# Altium PCB PCB.PcbDoc (continued)
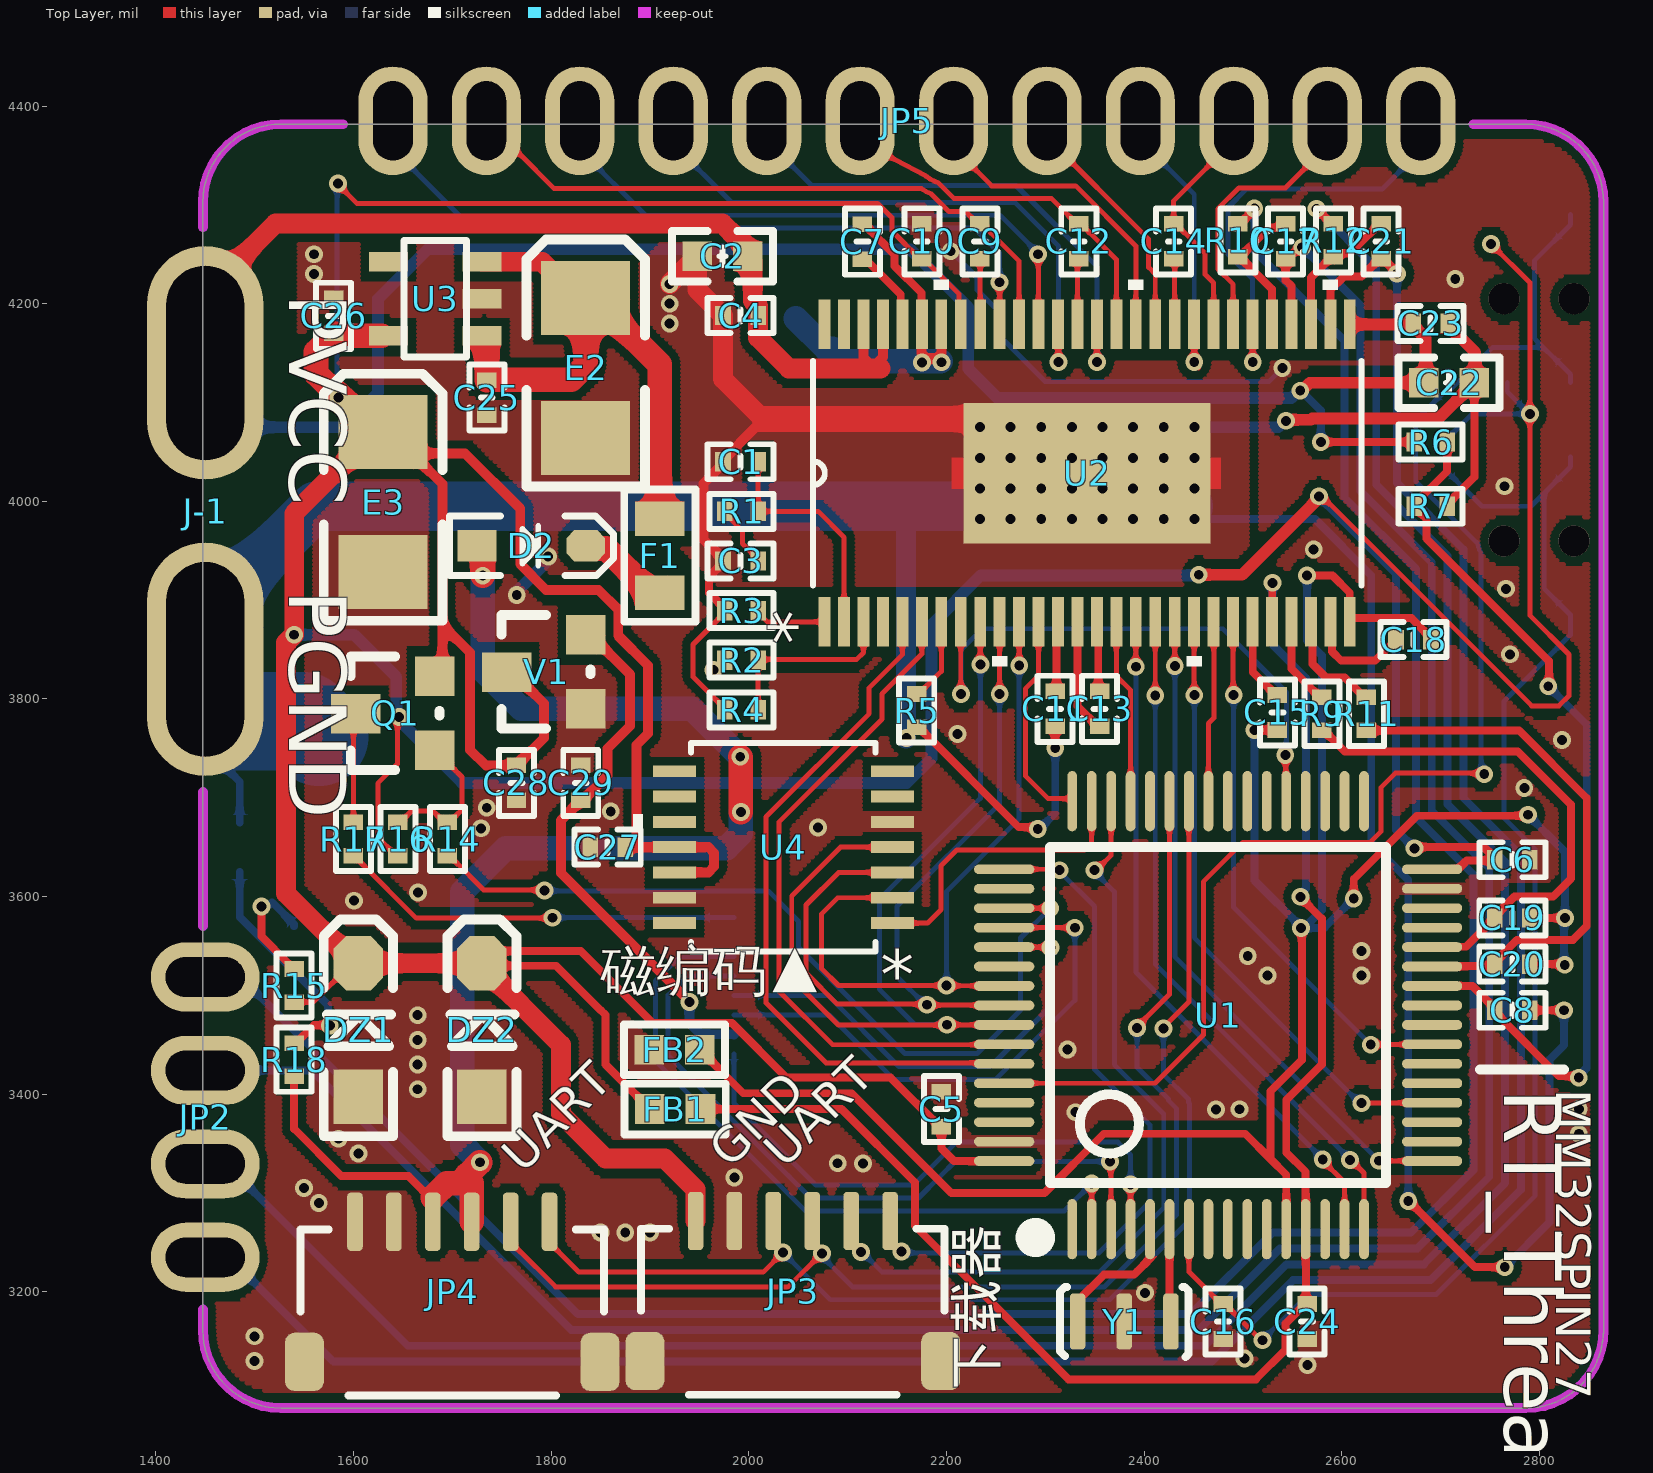
[diagram p0: Top Layer view]
## Nets (pads, with @x,y where several pads share a name; then routed paths per layer and width w, separated by ;. In a path a pad name is that pad's centre, name@x,y a point inside that pad or via, vN(x,y) a via of type N, cw(c..) or ccw(c..) an arc to the next point about the centre after c; other vN are vias at no path point)
3V3: C5.2 C6.2 C10.1 C26.1 C27.1 C28.2 DZ1.2 DZ2.2 E3.1 FB1.2 JP3.1 K2.2 K2.4 Q1.2 R8.1 R15.1 R16.1 U1.32 U1.64 U2.49 U3.5 U4.11 U4.12 V1.3 | length 7504.8
  Top Layer w5: R15.1 1559.3,3493.27 1598.54,3532.5 DZ1.2@1602.5,3532.5 ; v1@1580,4325 1603.5,4301.5 2130.57,4301.5 2145,4287.07 2145,4273.53 2173.17,4245.36 2177.11,4245.36 2182.48,4239.99 2212.9,4209.57 2212.9,4180.65 U2.49 ; v1@1644.5,3781.47 1644.5,3734.38 1624.66,3714.53 1624.66,3659.91 1643.03,3641.54 R16.1 ; v1(2577.13,4005.04) 2580.23,4005.04 2792.29,3792.98 2819.87,3792.98 2830,3803.12 2830,3845 2790.38,3884.62 v1@2790.38,4088.88 ; v1@2751.57,4260.22 2790.38,4221.4 v1@2790.38,4092.86
  Top Layer w8: DZ2.2@1730,3530 1805,3530 1850,3485 1850.31,3485 1855,3480.31 1855,3430 FB1.2 ; DZ2.2 1742.5,3545 1830,3545 1903,3472 1983,3472 2038,3417 2143.32,3417 2193.03,3367.29 C5.2 2195,3345 2207.64,3332.36 U1.64 ; v1(2673.63,3648.82) 2675.11,3650.29 2743.64,3650.29 2750.8,3643.13 2751.2,3643.13 2755.08,3639.26 C6.2 ; U1.32 2717.62,3627.63 2726.56,3636.57 2749.34,3636.57 C6.2@2751.31,3636.57
  Top Layer w10: E3.1@1635,4065 1651.5,4048.5 E3.1@1659,4048.5 ; Q1.2@1679,3827 1690,3838 1690,3875 ; V1.3@1760,3827 1775,3812 1775.96,3812 1792.68,3795.29 1792.68,3760.39 1769.85,3737.56 1769.85,3735.59 C28.2@1769.26,3735 ; C28.2 1764.79,3732.5 1733.99,3732.5 1718.11,3748.37 1718.11,3846.89 1690,3875 ; U4.12 1959.14,3624.41 1965,3630.27 1965,3644.14 1959.14,3650 U4.11 C27.1 1875,3651.97 1877.87,3654.84 1879.84,3654.84 1886.44,3661.44 1886.44,3753.57 1898,3765.13 1898,3833.92 1868,3863.92 1868,3890.38 1848.14,3910.24 1794.95,3910.24 1768.76,3936.43 1768.76,3992.68 1712.95,4048.5 E3.1@1659,4048.5 ; E3.1@1659,4048.5 1690,4017.5 1690,3875
  Top Layer w12: v1(2455.35,3925.68) 2499.19,3925.68 v1@2577.13,4003.62
  Top Layer w20: DZ1.2@1602.5,3532.5 1531.82,3603.18 1531.82,3856.82 v1(1540,3865) 1540,3987.5 E3.1@1622.5,4070 ; DZ1.2 DZ2.2 ; DZ2.2@1730,3530 1810,3450 1810,3380 1855,3335 1915,3335 1946.18,3303.82 JP3.1
  Top Layer w25: C26.1@1580,4168.84 1562.18,4151.03 1562.18,4129.04 1573.9,4117.33 1575.17,4117.33 1586.25,4106.25 E3.1@1622.5,4070 ; C26.1 1582.41,4167.59 U3.5@1628.33,4167.59 ; DZ1.2@1602.5,3532.5 DZ1.2 ; E3.1@1627.5,4065 E3.1@1635,4065 ; DZ2.2@1730,3530 DZ2.2
  Bottom Layer w5: v1@1582.49,4322.51 1582.49,4316.65 1583.56,4315.57 1583.56,4106.44 v1(1585,4105) ; R8.1 2706.97,4063.46 2732,4088.5 v1(2790.55,4088.5) ; K2.2 2767.57,4110.85 v1@2787.55,4090.87
  Bottom Layer w8: v1(2577.13,4005.04) 2577.13,4004.53 2655,3926.66 2655,3667.44 v1(2673.63,3648.82)
  Bottom Layer w12: v1(1540,3865) 1600.65,3865 1643.27,3822.38 v1@1643.27,3781.73 ; v1@1644.01,3780.99 1710.03,3714.97 2159.97,3714.97 2185,3740 2185,3875 2235,3925 v1@2455,3925
  other v1: 1646.28,3781.63 2751.19,4260.23 1584.32,4321.59
5V: D2.1 E1.1 JP4.3 JP4.4 L1.2 R2.2 R18.1 | length 1416.5
  Top Layer w8: R18.1 1540,3365 1587.7,3317.3 1655.54,3317.3 1677.25,3295.58 JP4.3@1680.32,3295.58
  Top Layer w25: JP4.3@1680.32,3295.58 1694.73,3310 1706.81,3310 1715,3318.19 ; 1715.1,3318.01 1727.97,3330.89 v1(1727.97,3331.16) ; JP4.4 1719.68,3310 ; D2.1 1727.58,3955 1730.82,3951.75 v1(1730.82,3924.73) ; v1(1991.46,3741.47) 1991.87,3741.07 1991.87,3685.79 v1(1992.07,3685.59)
  Bottom Layer w25: v1(1727.97,3331.16) 1710,3349.14 1710,3605 1754.03,3649.03 1977.43,3649.03 1992.07,3663.68 v1(1992.07,3685.59) ; v1(1730.82,3924.73) 1730.82,3829.18 1770,3790 1942.74,3790 1991.28,3741.47 v1(1991.46,3741.47)
  other v1: 1964.44,3829.2
ADC1: C8.2 R6.2 R7.1 U1.26 | length 923.8
  Top Layer w8: U1.26 2732.44,3509.52 2755,3486.97 C8.2 ; R6.2 2706.73,4030.43 2673.27,3996.97 2673.27,3993.03 2677.14,3989.16 2679.11,3989.16 2685.73,3982.54 2685.73,3962.41 2809.93,3838.21 2809.93,3813.7 v1(2809.09,3812.86) ; C8.2@2755,3483.03 2758.87,3479.16 2758.93,3479.16 2819.79,3418.29 2838.45,3418.29 v1(2839.98,3416.75)
  Bottom Layer w8: v1(2809.09,3812.86) 2847.99,3773.96 2847.99,3426.44 v1@2837.41,3415.86
AGND: C15.1 C18.1 C19.1 C20.1 FB2.1 U1.12 U2.28 | length 2303.1
  Top Layer w8: FB2.1 1994.6,3401 2104,3401 2205,3300 2299.28,3300 2359.28,3360 2502.41,3360 2527.96,3334.45 ; v1@2516.43,3768.57 C15.1 ; U1.12 2543.91,3318.5 2527.96,3334.45 ; v1(2558.79,3568.33) 2559.71,3567.41 2559.71,3434.71 2527.96,3402.96 2527.96,3334.45 ; v1(2565,3925) 2590.69,3925 2608.19,3907.49 2608.19,3878.05 U2.28 ; U2.28@2608.25,3879.84 2610.25,3881.84 2670.55,3881.84 2690.43,3861.97 C18.1 ; v1(2612.22,3598.08) 2612.22,3617.67 2676.37,3681.82 v1@2788.58,3681.82 ; C20.1 2823.34,3531.66 v1@2825,3530 ; C19.1 v1@2824.4,3578.33
  Bottom Layer w8: v1(2511.9,3768.62) 2511.9,3616.35 v1@2559.35,3568.9 ; v1(2558.79,3568.33) 2582.49,3568.35 v1(2612.22,3598.08) ; v1(2565,3925) 2565,3859 2580,3844 2580,3586.47 2566.86,3573.33 ; v1@2785.24,3685.95 2826,3645.19 v1(2826,3578.45) 2825,3577.45 v1@2825,3530
  other v1: 2825.76,3530.94 2788.71,3682.82
AH: U1.15 U2.17 | length 705.9
  Top Layer w5: U2.17 2391.71,3833.29 v1@2395,3830 ; v1(2580.91,3333.83) 2580.91,3332.66 2602.96,3310.6 U1.15
  Bottom Layer w5: v1(2391.74,3832.53) 2391.74,3523.66 2580.91,3334.49 v1(2580.91,3333.83)
AL: U1.16 U2.18 | length 699.4
  Top Layer w5: U2.18 v1(2411.4,3803.6) v1@2415,3800 ; v1@2608.88,3334.01 2622.65,3320.24 U1.16
  Bottom Layer w5: v1(2411.4,3803.6) 2411.4,3531.37 v1@2603.32,3339.45
  other v1: 2608.39,3333.53
AVCC: C24.2 FB1.1 U1.13 U2.24 | length 1617
  Top Layer w8: FB1.1 2093.93,3385 2168.09,3310.85 2168.09,3266.91 2323.54,3111.46 2513.21,3111.46 2543.16,3141.41 2543.16,3167.84 2563.03,3187.71 C24.2 2563.79,3188.93 2563.79,3263.28 U1.13 2563.59,3321.45 2543.96,3341.07 2543.96,3394.06 2580,3430.09 2580,3577.66 v1@2557.48,3600.18 ; U2.24 2529.75,3878.25 2529.75,3917.23 v1(2530.04,3917.51)
  Bottom Layer w8: v1(2530.04,3917.51) 2529.97,3917.45 2529.97,3855.03 2564,3821 2564,3608.08 2558.17,3602.26 v1@2558.17,3602.13
  other v1: 2558.39,3599.76
BH: U1.17 U2.19 | length 689.7
  Top Layer w5: U2.19 2431.08,3833.92 v1@2435,3830 ; v1(2637.67,3332.68) 2637.83,3332.52 2691.37,3332.52 U1.17
  Bottom Layer w5: v1(2431.19,3833.24) 2431.19,3539.15 v1(2637.67,3332.68)
BL: U1.20 U2.20 | length 628.9
  Top Layer w5: v1@2450,3805 2450.77,3805.77 U2.20 ; v1(2620.11,3390.96) 2620.34,3391.19 2691.3,3391.19 U1.20
  Bottom Layer w5: v1(2450.94,3803.82) 2450.94,3558.37 2618.35,3390.96 v1(2620.11,3390.96)
BOOT0: K2.1 K2.3 R13.1 U1.60 | length 1479.5
  Top Layer w5: U1.60 2411.1,3411.1 2460,3460 2460,3615 2500,3655 2629.05,3655 2640,3665.95 2640,3710.53 2654.34,3724.87 2743.27,3724.87 v1(2744.27,3723.88)
  Bottom Layer w5: v1(2744.27,3723.88) 2744.05,3723.88 2741.12,3726.8 2741.12,3947.37 cw(c2764.13,3960) 2738.05,3957.04 2736.88,3958.21 2675,4020.09 2675,4081.97 2703.03,4110 R13.1 2706.97,4110 2752.47,4155.5 2804.5,4155.5 ; K2.1 2831.57,4128.43 2804.5,4155.5 ; K2.3 2831.57,4280 2795,4243.43 2795,4165 2804.5,4155.5
CH: U1.41 U2.21 | length 183.9
  Top Layer w5: U1.41 2465.17,3775.17 2470.69,3780.69 2470.69,3877.77 U2.21
CL: U1.23 U2.22 | length 546.6
  Top Layer w5: v1@2490,3805 2490.14,3805.14 U2.22 ; v1(2629.5,3450.17) 2629.65,3450.32 2691.38,3450.32 U1.23
  Bottom Layer w5: v1(2490.74,3804.04) 2490.74,3588.93 v1(2629.5,3450.17)
DC_CAL: U1.48 U2.12 | length 219.5
  Top Layer w5: U2.12 2293.29,3823.56 2280,3810.28 2280,3722.16 2303.06,3699.1 2325.13,3699.1 2327.37,3696.86 U1.48
EN_GATE: U1.45 U2.16 | length 187.4
  Top Layer w5: U2.16 2372.03,3823.25 2386.43,3808.86 U1.45
FAULT: U1.58 U2.6 | length 684.1
  Top Layer w5: U2.6 2175.18,3845.47 2134.87,3805.16 2134.87,3779.61 2030.53,3675.27 2030.53,3504.47 2084.92,3450.08 2258.1,3450.08 U1.58
GH_A: JP5.12 U2.47 | length 758.3
  Top Layer w5: v1(2253.81,4221.67) 2253.86,4221.62 2253.86,4179.05 U2.47 U2.47@2253.96,4178.95
  Bottom Layer w5: JP5.12 1640,4356.38 1719.91,4276.48 2228.54,4276.48 2253.81,4251.2 v1(2253.81,4221.67)
GH_B: JP5.8 U2.42 | length 541.8
  Top Layer w5: U2.42 2352.34,4141.1 v1(2352.51,4140.93)
  Bottom Layer w5: JP5.8 2018.18,4365 2063.68,4319.5 2270.5,4319.5 2352.51,4237.49 v1(2352.51,4140.93)
GH_C: JP5.4 U2.37 | length 310.7
  Top Layer w5: v1@2450.77,4139.23 v1@2455,4135 ; v1@2450.79,4140.96 U2.37
  Bottom Layer w5: JP5.4 2396.36,4365 2450.82,4310.55 v1(2450.82,4140.93)
GL_A: JP5.10 U2.45 | length 609.1
  Top Layer w5: v1(2292.75,4249.94) 2293.02,4249.67 2293.02,4179.27 U2.45
  Bottom Layer w5: JP5.10 1829.09,4355.91 1895.52,4289.48 2254.52,4289.48 2293.51,4250.49 v1@2293.51,4249.76
GL_B: JP5.6 U2.40 | length 332.2
  Top Layer w5: JP5.6 2207.27,4357.73 2245.79,4319.21 2330.79,4319.21 2391.71,4258.29 U2.40
GL_C: JP5.2 U2.35 | length 285.9
  Top Layer w5: U2.35 2490.14,4219.55 2474.66,4235.03 2474.66,4295.88 2495.86,4317.08 2542.97,4317.08 2585.45,4359.56 JP5.2
GND: C5.1 C6.1 C10.2 C16.2 C24.1 C25.2 C26.2 C27.2 C28.1 C29.1 D3.2 DZ1.1 DZ2.1 E2.2 E3.2 FB2.2 FB3.1 JP1.0 JP1.2 JP3.0 JP3.2 JP4.0 JP4.1 JP4.2 K1.2 K1.4 R13.2 U1.31 U1.63 U3.2 U4.5 U4.13 V1.1 Y1.2 | length 469.1
  Bottom Layer w5: v1(2204.44,4253.05) 2230.96,4226.52 2230.96,4214.04 2255,4190 2255,4166.3 2299.87,4121.43 2526.62,4121.43 v1(2539.99,4134.8)
  Bottom Layer w12: v1(1765.2,3905.06) 1765.2,3906.68 1768.2,3909.68 1768.2,3911.62 1794.05,3937.46 1794.05,3939.59 1797.05,3942.59 v1(1797.05,3944.22)
  other v1: 2565.32,3125.9 1500,3130 2501.65,3132.46 1500,3155 2400.94,3199.03 1850,3260 1875,3260 1900,3260 1565,3290 1550,3305 1985.44,3315.82 2090.03,3330.11 2115.6,3329.94 1605,3340 1585,3355 2840,3360 2330.64,3381.86 2472.73,3384.42 2496.58,3384.81 2840,3385 1665,3405 1665,3430 2322.73,3445.38 1665,3455 1665,3480 2525,3520 2620,3520 2505,3540 2620,3545 1600.61,3595.86 1665.37,3604.24 1728.97,3669.06 2070,3670 1860.38,3686.28 1734.94,3689.95 2784.88,3709.91 2823.13,3758.54 2211.3,3764.52 2770.43,3845.16 2766.42,3911.42 2571.68,3951.36 2764.85,4015.23 2715,4225 1560,4230 1560,4250
IPS3V3: C29.2 JP1.7 V1.2 | length 541
  Top Layer w10: V1.2@1840,3865 1880,3825 1880,3772.58 1857.19,3749.77 1857.19,3722.51 1834.84,3700.16 1832.87,3700.16 C29.2 1828.03,3697.29 1825.15,3694.41 1825.15,3692.44 1810,3677.29 1810,3623.96 v1@1938.19,3495.77
  Bottom Layer w10: v1(1940.15,3493.21) 1940,3493.05 1940,3472.29 1951.65,3460.64 JP1.7
IPS_BLK: R14.1 U1.51 | length 858
  Top Layer w5: R14.1 1696.97,3641.54 1702.34,3636.16 1702.34,3636.11 1731.74,3606.71 v1@1796.14,3606.71 ; U1.51 2301.74,3588.26 v1@2305,3585
  Bottom Layer w5: v1@1798.44,3604.93 1799.28,3605.76 2019.69,3605.76 2050.42,3575.02 2050.42,3548.77 2158.2,3441 2231,3441 2275,3485 2275,3558.1 v1(2305.18,3588.28)
  other v1: 1793.27,3606.26
IPS_CS: JP1.8 U1.4 | length 584.1
  Top Layer w5: U1.4 v1(2386.43,3308.81)
  Bottom Layer w5: JP1.8 1985,3391.08 2068.07,3308.01 2166.4,3308.01 2209.86,3351.47 2373.53,3351.47 2386.43,3338.57 v1(2386.43,3308.81)
IPS_DC: JP1.4 U1.3 | length 726.6
  Top Layer w5: v1(2365.45,3331.97) 2366.56,3330.87 2366.56,3263.66 U1.3
  Bottom Layer w5: JP1.4 1937.88,3519.68 1918.5,3500.3 1918.5,3439.19 2040.64,3317.05 2062.69,3295.01 2171.79,3295.01 2193.83,3317.05 2208.75,3331.97 v1(2365.45,3331.97)
IPS_RES: JP1.3 U1.2 | length 732.6
  Top Layer w5: U1.2 v1(2347.06,3309.6)
  Bottom Layer w5: JP1.3 1930.22,3539.37 1905.5,3514.66 1905.5,3433.81 2057.3,3282.01 2319.46,3282.01 v1(2347.06,3309.6)
IPS_SCL: JP1.6 U1.52 | length 550.8
  Top Layer w5: U1.52 2328.58,3568.58 v1@2330,3570
  Bottom Layer w5: JP1.6 2081.3,3480.32 2146.62,3415 2250,3415 2330,3495 v1(2330,3568.51)
IPS_SDA: JP1.5 U1.53 | length 482.2
  Top Layer w5: U1.53 2303.89,3548.89 v1@2305,3550
  Bottom Layer w5: JP1.5 2080,3500 2152,3428 2244.62,3428 2305.45,3488.84 v1(2305.45,3548.6)
NetC1_2: C1.2 R1.2 U2.2 | length 233.6
  Top Layer w5: C1.2 R1.2 2070.2,3989.8 2096.44,3963.56 U2.2
NetC3_2: C3.2 R1.1 | length 64.1
  Top Layer w5: R1.1 1975.96,3987.83 1993.63,3970.16 1993.63,3957.36 2009.43,3941.57 C3.2
NetC7_1: C7.1 D1.2 L1.1 U2.50 U2.51 | length 368.3
  Top Layer w8: C7.1@2120,4277.4 2147.63,4249.77 2147.63,4238.1 2174.97,4210.76 2174.97,4179.21 U2.51 U2.51@2175,4178.82 ; U2.50 U2.50@2195,4178.86
  Top Layer w10: U2.51@2175,4178.82 2175,4150 2180,4145 2190,4145 2195,4150 U2.50@2195,4178.86
  Bottom Layer w25: D1.2 2078.33,4154.19 2084.76,4154.19 2097.36,4141.59 2175.42,4141.59 v1@2194.29,4141.59
  other v1: 2175.42,4140.46 2195.16,4140.76
NetC7_2: C7.2 U2.52 | length 84.5
  Top Layer w8: C7.2 2118.87,4241.13 2121.89,4241.13 2153.81,4209.21 2153.81,4180.69 U2.52
NetC9_2: C9.2 U2.48 | length 66.4
  Top Layer w5: C9.2 2234.23,4245.05 U2.48
NetC11_2: C11.2 U2.13 | length 71.5
  Top Layer w8: C11.2 2311.49,3809.2 2311.49,3876.52 U2.13
NetC12_2: C12.2 U2.43 | length 66.8
  Top Layer w5: U2.43 2332.66,4243.95 C12.2
NetC13_1: C13.1 U2.15 | length 71.4
  Top Layer w8: U2.15 2353.67,3876.67 2353.67,3809.05 C13.1
NetC13_2: C13.2 U2.14 | length 116.1
  Top Layer w8: U2.14 2332.66,3792.66 2353.03,3772.29 C13.2
NetC14_2: C14.2 U2.38 | length 66.7
  Top Layer w5: C14.2 2431.08,4244.2 U2.38
NetC15_2: C15.2 U2.23 | length 77.1
  Top Layer w8: U2.23 2510,3877.82 2510,3827.22 C15.2@2528.58,3808.64
NetC17_2: C17.2 R10.2 U2.33 | length 143.9
  Top Layer w8: R10.2 R10.2@2496.97,4247.25 ; U2.33 2529.51,4214.71 R10.2@2496.97,4247.25 ; C17.2 2539.46,4276.84 2526.56,4276.84 R10.2@2496.97,4247.25
NetC18_2: C18.2 U2.27 | length 109.3
  Top Layer w8: U2.27 2590.25,3876.32 2590.25,3848.03 2599.57,3838.71 2633.71,3838.71 2649.16,3854.16 2651.13,3854.16 2655,3858.03 C18.2
NetC21_2: C21.2 R12.2 U2.31 | length 141
  Top Layer w8: U2.31 2568.88,4226.43 2593.57,4251.12 2608.44,4251.12 2638.03,4280.71 C21.2
NetC25_1: C25.1 E2.1 F1.2 U3.1 U3.3 | length 596
  Top Layer w20: U3.1 1734.84,4167.6 1734.54,4167.3 U3.1@1734.54,4161.96 ; U3.3 1790.96,4242.4 E2.1@1827.49,4205.87 ; E2.1 E2.1@1842.49,4205.87
  Top Layer w25: U3.1@1734.54,4161.96 1735,4161.5 C25.1 1735.37,4123.08 1820.35,4123.08 1834.99,4137.73 E2.1 ; E2.1@1842.49,4205.87 1909.92,4138.44 1909.92,3982.48 F1.2
NetD2_2: D2.2 F1.1 | length 89.5
  Top Layer w25: D2.2 1837.81,3952.3 1855.56,3952.3 1895.27,3912.6 1900,3912.6 F1.1@1905,3907.6
NetD3_1: D3.1 R15.2 | length 124.2
  Top Layer w8: v1(1506.86,3589.95) 1506.86,3559.87 1534.16,3532.57 1534.16,3530.61 1538.03,3526.73 R15.2
  Bottom Layer w8: v1(1506.86,3589.95) 1508.78,3591.87 1515.4,3591.87 1517.75,3594.22 1540,3571.97 D3.1
NetD4_1: D4.1 R18.2 | length 235.7
  Top Layer w8: R18.2 1541.97,3451.73 1560.24,3470 v1@1575,3470
  Bottom Layer w8: D4.1 1485,3579.4 1574.22,3490.19 1574.22,3471.48 v1(1576.13,3469.57)
NetJP1_1: JP1.1 R17.2 | length 411.5
  Top Layer w5: R17.2@1600.02,3641.8 1601.7,3641.8 1607.34,3636.16 1607.34,3634.48 1663.69,3578.13 1801.01,3578.13 v1(1801.46,3578.58)
  Bottom Layer w5: v1@1802.54,3578.6 1802.68,3578.74 JP1.1
NetQ1_1: Q1.1 R14.2 R16.2 | length 149.3
  Top Layer w5: R16.2 1650.37,3680.37 1652.46,3680.37 1658.76,3686.67 1680.29,3686.67 1686.59,3680.37 1687.66,3680.37 1691.97,3676.06 R14.2@1691.97,3675 ; Q1.1 1699.77,3730.51 1700.34,3730.51 1709.83,3721.02 1709.83,3687.85 1702.35,3680.37 1700.37,3680.37 R14.2
NetQ1_3: Q1.3 R17.1 | length 110.9
  Top Layer w5: R17.1 1600,3782.73 Q1.3
NetR2_1: R2.1 R4.2 U2.3 | length 191.2
  Top Layer w5: R4.2 R2.1 2010.23,3840 2109.25,3840 2116.12,3846.87 U2.3
NetR3_1: R3.1 U2.1 | length 73.2
  Top Layer w5: R3.1 2009.43,3887.43 2018.86,3878 U2.1
NetR5_1: R5.1 U2.7 | length 84.5
  Top Layer w5: R5.1 2171.97,3805 2194.86,3827.89 U2.7
NetR9_1: R9.1 U2.25 | length 90.2
  Top Layer w8: U2.25 2549.19,3830.57 2578.03,3801.73 R9.1
NetR11_1: R11.1 U2.26 | length 109.8
  Top Layer w8: U2.26 2570.56,3876.32 2570.56,3835.28 2584.23,3821.61 2603.16,3821.61 2619.16,3805.61 2624.16,3805.61 R11.1@2624.51,3805.26
NRST: C16.1 K1.1 K1.3 R8.2 U1.7 | length 1413.7
  Top Layer w5: U1.7 2445.48,3220.27 2478.03,3187.72 2481.97,3187.72 2487.34,3182.34 2487.34,3182.17 2518.43,3151.08 v1(2519.8,3151.08)
  Bottom Layer w5: v1(2519.8,3151.08) 2566.09,3197.37 2695.85,3197.37 2795.83,3297.35 2795.83,3647.93 2764.1,3679.66 2764.1,3797.35 2831.57,3864.81 K1.1 2831.57,3885 2805,3911.57 2805,4008.43 ; R8.2 2706.97,4030 2741.97,3995 2791.57,3995 2805,4008.43 ; K1.3 2831.57,4035 2805,4008.43
OCTW: U1.59 U2.5 | length 709.2
  Top Layer w5: U2.5 2155.49,3844.84 2121.87,3811.22 2121.87,3785 2017.53,3680.65 2017.53,3492.47 2078.24,3431.76 2228.5,3431.76 2228.55,3431.71 2257.56,3431.71 U1.59
OSC_IN: U1.5 Y1.3 | length 141.7
  Top Layer w8: Y1.3 2332.76,3190.67 2359.7,3217.62 2390.01,3217.62 2393.36,3220.97 2393.44,3220.97 2405.76,3233.29 2405.76,3263.12 U1.5
OSC_OUT: U1.6 Y1.1 | length 94.1
  Top Layer w8: U1.6 2425.8,3171.45 Y1.1
PGND: C1.1 C2.2 C3.1 C4.2 C8.1 C11.1 C22.1 C23.1 D1.1 D4.2 E1.2 FB3.2 J-1.2 R3.2 R4.1 R5.2 R7.2 U2.57 | length 4926.7
  Top Layer w5: C3.1@1974,3937.63 C3.1 C3.1@1974,3941.57 ; C1.1@1974,4038.03 C1.1 ; R4.1 1975.96,3790.97 1970.59,3796.34 1969.72,3796.34 1943.64,3822.42 1943.64,3855.11 1975.96,3887.43 R3.2 R3.2@1975.96,3891.37
  Top Layer w8: C3.1@1974,3937.63 1960,3923.64 1960,3907.33 R3.2@1975.96,3891.37 ; R5.2@2171.97,3771.54 2273.28,3670.22 2290.62,3670.22 v1(2292.53,3668.31) ; v1@2310,3755 C11.1 ; v1@2670,3290 2735,3225 v1(2765,3225) ; R7.2 2706.73,3996.97 2734.31,4024.55 C22.1 ; C8.1 v1(2825,3485)
  Top Layer w10: C3.1@1974,3941.57 1954.16,3961.41 1954.16,4018.2 C1.1@1974,4038.03 ; C1.1 1974,4041.97 2007.03,4075 2234,4075 2265,4075 U2.57@2296,4075
  Top Layer w12: v1(2543.82,4081.42) 2544.97,4082.56 2569.02,4082.56 2570.3,4083.84 2698.15,4083.84 C22.1 2735,4120.69 2735,4150.75 2707.72,4178.03 C23.1
  Top Layer w20: v1(1920,4220) 1920,4220.18 C2.2 1947.82,4214.18 C4.2 1974,4123.64 2011.25,4086.39 2284.61,4086.39 2296,4075 2327,4044 U2.57@2342.5,4028.5
  Bottom Layer w8: J-1.2@1450,3785.85 1450,3751.15 1485,3716.15 D4.2 ; v1(2292.53,3668.31) 2294.1,3668.31 2310.23,3684.44 v1(2310.23,3750.24) ; U2.57@2451,3982 2573,3982 2630,3925 2630,3654.13 2667.45,3616.68 v1(2667.45,3291.98) ; v1(2765,3225) 2810.33,3270.33 2810.33,3435 2825,3449.66 v1(2825,3485)
  Bottom Layer w12: U2.57@2451.71,4074.54 2452.17,4075 2535.78,4075 2542.2,4081.42 v1(2543.82,4081.42)
  Bottom Layer w20: v1@2159.15,3759.69 2159.15,3989.2 2164.96,3995
  Bottom Layer w50: J-1.2 1450,3883.23 1561.77,3995 2445,3995
  Bottom Layer w100: J-1.2 1450,3785.85 1458.37,3777.48 1549.61,3777.48 FB3.2
  other v1: 2159.64,3760.53 1920,4180 1920,4200
PVCC: C2.1 C4.1 C22.2 C23.2 J-1.1 R6.1 U2.29 U2.53 U2.54 | length 2755.6
  Top Layer w8: v1@2580,4060 R6.1 R6.1@2672.85,4059.58
  Top Layer w10: U2.54 2116.12,4145.33 2121.45,4140 ; 2130,4140 2135.81,4145.81 U2.53
  Top Layer w12: v1(2558.11,4111.94) 2559.74,4111.94 2567.79,4120 C22.2 2685,4121.87 2685,4165.32 2672.29,4178.03 C23.2 2671.28,4179 U2.29@2608.56,4179
  Top Layer w20: J-1.1 1450,4210 1521,4281 1973.52,4281 1994,4260.52 1994,4253 C2.1 ; C2.1@2004,4243 2004,4203 2009.43,4197.57 C4.1 2009.43,4165.57 2040.59,4134.41 2133.28,4134.41
  Bottom Layer w8: v1(2558.11,4111.94) 2558.82,4111.94 2578.92,4091.85 v1(2578.92,4059.93)
  Bottom Layer w12: J-1.1 1450,4124.02 1499.02,4075 1590,4075 1625,4110 1625,4205 1675,4255 2163.53,4255 2222.09,4196.44 2222.09,4134.17 2251.84,4104.42 2548.96,4104.42 2556.49,4111.94 v1(2558.11,4111.94)
SH_A: C9.1 JP5.11 U2.46 | length 662.5
  Top Layer w5: JP5.11 1734.55,4382.59 1764.57,4352.56 1766.98,4352.56 1803.17,4316.38 2174.75,4316.38 ccw(c2207.27,4365) 2184.6,4311.07 2185.28,4310.39 2202.46,4293.21 2219.54,4293.21 2232.03,4280.72 C9.1 2235.97,4280.72 2273.6,4243.08 U2.46
SH_B: C12.1 JP5.7 U2.41 | length 387.9
  Top Layer w5: JP5.7 2112.73,4365.54 2115.13,4363.14 2115.66,4362.61 2117.37,4361.7 2178.97,4329.38 ccw(c2207.27,4365) 2191.87,4322.19 2207.84,4306.21 2306.54,4306.21 2332.03,4280.72 2335.97,4280.72 2372.03,4244.66 U2.41
SH_C: C14.1 JP5.3 U2.36 | length 249.1
  Top Layer w5: U2.36 2470.45,4220.85 2461.66,4229.64 2461.66,4251.03 2431.97,4280.72 C14.1 2430,4304.09 2490.91,4365 JP5.3
SL_A: JP5.9 U2.44 | length 611.8
  Top Layer w5: U2.44 2313.27,4178.7 2313.27,4141.23 v1(2313.56,4140.93)
  Bottom Layer w5: JP5.9 1923.64,4361.36 1982.52,4302.48 2269.14,4302.48 2313.56,4258.05 v1(2313.56,4140.93)
SL_B: JP5.5 U2.39 | length 251.4
  Top Layer w5: JP5.5 2301.82,4368.18 2404.71,4265.29 2404.71,4236.74 2411.4,4230.05 U2.39
SL_C: JP5.1 U2.34 | length 453.8
  Top Layer w5: U2.34 2509.91,4178.91 2509.91,4141.02 v1(2510,4140.93)
  Bottom Layer w5: v1(2510,4140.93) 2510,4225 2485,4250 2485,4297.31 2503.58,4315.9 2640.9,4315.9 2680,4355 JP5.1
SN1: JP2.4 R10.1 | length 2575.7
  Top Layer w8: R10.1@2493.03,4280.71 R10.1 2496.97,4280.71 2511.66,4295.4 v1(2511.66,4296.4)
  Bottom Layer w8: JP2.4 1485.92,3518.64 1827.06,3177.5 2447.65,3177.5 2530.02,3259.87 2669.96,3259.87 2733.33,3323.24 2733.33,3622.04 2675.15,3680.22 2675.15,3931.55 2603.06,4003.64 2603.06,4162.28 2511.66,4253.68 v1(2511.66,4296.4)
SN2: JP2.2 R12.1 | length 2547.2
  Top Layer w8: v1@2575,4295 2575.41,4295 2589.7,4280.71 R12.1
  Bottom Layer w8: JP2.2 1470.91,3329.55 1654.96,3145.5 2461.89,3145.5 2544.27,3227.87 2683.22,3227.87 2765.33,3309.99 2765.33,3635.3 2707.15,3693.48 2707.15,3944.81 2635.06,4016.9 2635.06,4235.61 v1(2574.69,4295.98)
SO1: C19.2 R9.2 U1.28 | length 529.7
  Top Layer w8: R9.2 2581.97,3768.27 2585.84,3764.39 2585.84,3764.04 2603.13,3746.75 2778.24,3746.75 2831.99,3693 2831.99,3618.13 2814.03,3600.17 2774.87,3600.17 2755,3580.3 C19.2 2755,3576.36 2751.13,3572.49 2749.16,3572.49 2725.91,3549.25 2691.88,3549.25 U1.28
SO2: C20.2 R11.2 U1.27 | length 555.5
  Top Layer w8: R11.2 2625.24,3768.03 2779.59,3768.03 2847.99,3699.63 2847.99,3570.18 2834,3556.19 2777.55,3556.19 2755,3533.64 C20.2 2752.9,3529.56 2691.88,3529.56 U1.27
SP1: C17.1 JP2.3 U2.32 | length 2582.8
  Top Layer w8: U2.32 2549.19,4217.77 2543.33,4223.64 C17.1 2545.3,4245.28 2555.16,4255.14 2555.44,4255.14 2560,4259.7 v1@2560,4259.98
  Bottom Layer w8: JP2.3 1557.84,3424.09 1820.43,3161.5 2455.27,3161.5 2537.64,3243.87 2676.59,3243.87 2749.33,3316.61 2749.33,3628.67 2691.15,3686.85 2691.15,3938.18 2619.06,4010.27 2619.06,4198.06 v1(2560.06,4257.06)
SP2: C21.1 JP2.1 U2.30 | length 2547.7
  Top Layer w8: U2.30 2588.56,4213.56 2602.37,4227.37 2620.12,4227.37 2638.03,4245.28 2641.97,4245.28 2655,4232.25 v1@2655,4230
  Bottom Layer w8: JP2.1 1474.19,3235 1579.69,3129.5 2468.52,3129.5 2550.89,3211.87 2689.85,3211.87 2781.33,3303.36 2781.33,3641.92 2723.15,3700.11 2723.15,3951.43 2656.06,4018.53 v1(2656.06,4230.31)
SPI_CS1: U1.37 U2.8 | length 593.5
  Top Layer w5: U2.8@2214.56,3877.98 2214.56,3805.38 v1(2214.94,3805) ; v1(2543,3743.4) 2543.45,3742.95 2543.45,3696.97 U1.37
  Bottom Layer w5: v1(2214.94,3805) 2214.94,3849.7 2236.25,3871 2479.72,3871 2544.13,3806.59 2544.13,3744.53 v1(2543,3743.4)
SPI_CS2: U1.47 U4.1 | length 313.9
  Top Layer w5: U4.1 2155.73,3573.23 2181.05,3573.23 2194.61,3586.78 2194.61,3631.22 2210.57,3647.19 2339.65,3647.19 2347.06,3654.6 U1.47 ; U4.1@2145.25,3573.3 U4.1@2155.73,3573.3
SPI_MISO: U1.56 U2.10 U4.3 | length 828
  Top Layer w5: U4.3 2090.93,3624.41 2057.94,3591.42 2057.94,3522.81 2089.66,3491.09 2179.69,3491.09 v1(2180.28,3490.5) 2180.61,3490.17 2258.16,3490.17 U1.56 ; U2.10 2253.96,3877.96 2253.96,3806.04 v1(2253.94,3804.98)
  Bottom Layer w5: v1(2180.28,3490.5) 2178.49,3490.5 2149.92,3519.07 2149.92,3589.92 2253.94,3693.94 v1(2253.94,3804.98)
SPI_MOSI: U1.57 U2.9 U4.4 | length 937.8
  Top Layer w5: U4.4 2092.9,3650 2043.53,3600.63 2043.53,3517.07 2090.59,3470 2200.28,3470 v1(2200.64,3470.36) 2200.75,3470.26 2258.39,3470.26 U1.57 ; U2.9 2234.24,3835.16 v1(2234.44,3834.95)
  Bottom Layer w5: v1(2200.64,3470.36) 2168.21,3470.36 2132.24,3506.33 2132.24,3597.24 2234.44,3699.44 v1(2234.44,3834.95)
SPI_SCK: U1.55 U2.11 U4.2 | length 721.4
  Top Layer w5: U4.2 2090.06,3598.8 2073.76,3582.5 2073.76,3527.15 2090.91,3510 v1(2200.26,3510) ; v1@2200.26,3509.52 2200.5,3509.76 2258.25,3509.76 U1.55 ; v1@2273.6,3836.4 U2.11
  Bottom Layer w5: v1(2200.26,3510) 2200.26,3605.26 2273.72,3678.72 v1(2273.72,3833.77)
SWCLK: JP3.6 U1.49 | length 705.5
  Top Layer w5: U1.49 2312.37,3627.63 v1@2315,3625
  Bottom Layer w5: v1@2153.16,3239.35 2354.35,3239.35 2405.93,3290.93 2405.93,3369.07 2350,3425 2350,3590 2314.38,3625.62 v1(2314.38,3626.73)
  other v1: 2154.51,3240.81
SWDIO: JP3.5 U1.46 | length 791
  Top Layer w5: v1@2350,3625 2366.74,3641.74 U1.46
  Bottom Layer w5: v1(2113.62,3240.4) 2114.6,3240.4 2135,3220 2355,3220 2420,3285 2420,3380 2370,3430 2370,3605 2349.87,3625.13 v1(2349.87,3626.73)
UART_RX: JP3.4 JP4.5 U1.43 | length 1186
  Top Layer w5: JP4.5@1762.53,3247.04 1762.53,3246.51 1765.21,3243.83 1765.74,3243.83 1804.57,3205 2040.14,3205 v1(2074.16,3239.01) ; v1@2396.94,3472.25 2425.8,3501.11 U1.43
  Bottom Layer w5: v1@2075,3235 2105,3205 2360,3205 2433,3278 2433,3385.38 2425,3393.38 2425,3395 2393.02,3426.98 v1(2393.02,3467.12)
UART_TX: JP3.3 JP4.6 U1.42 | length 1188.8
  Top Layer w5: JP4.6 1798.42,3249.84 1828.26,3220 2014.65,3220 v1(2034.61,3239.96) ; v1@2418.23,3466.33 2445.48,3493.58 U1.42
  Bottom Layer w5: v1(2034.61,3239.96) 2082.57,3192 2365.38,3192 2446,3272.62 2446,3390.77 2445,3391.77 2445,3395 2419.62,3420.38 v1(2419.62,3466.51)
pads on no net: K1. K2. U1.1 U1.8 U1.9 U1.10 U1.11 U1.14 U1.18 U1.19 U1.21 U1.22 U1.24 U1.25 U1.29 U1.30 U1.33 U1.34 U1.35 U1.36 U1.38 U1.39 U1.40 U1.44 U1.50 U1.54 U1.61 U1.62 U2.4 U2.55 U2.56 U3.4 U4.6 U4.7 U4.8 U4.9 U4.10 U4.14

## Polygon pours and split planes (outlines as drawn)
GND on Bottom Layer "NONET_L01_P-001" (hatched Horizontal grid 4 track 5, remove dead copper, pour order 21): 1442.65,3560 1485,3560 1512.75,3532.25 1512.75,3217.27 1485.48,3190 1442.65,3190 1442.65,3163.59 1442.81,3162.36 1442.65,3161.13 ccw(c1526.41,3161.13) 1526.41,3077.37 2786.25,3077.37 ccw(c2786.26,3161.12) 2870.01,3161.12 2870.01,4302.86 ccw(c2786.26,4302.87) 2786.25,4386.62 2715,4386.62 2715,4350 2702.5,4337.5 1647.5,4337.5 1598.39,4386.61 1526.41,4386.61 ccw(c1526.4,4302.87) 1442.65,4302.86 1512.75,4302.86 1545,4270.61 1545,3769.16 1510.17,3685 1442.65,3685
PGND on Bottom Layer "NONET_L01_P-001" (hatched Horizontal grid 4 track 5, remove dead copper, pour order 17): 1493.26,3993.26 1647.97,4085.54 1685,3941.75 1685,3820 1605,3740 1485,3740 1460,3765 1460,3960
5V on Bottom Layer "NONET_L01_P-001" (hatched Horizontal grid 4 track 5, remove dead copper, pour order 12): 2125,3960 1685,3960 1655,3930 1655,3790 1720,3725 2125,3725 2140,3740 2140,3945
PGND on Bottom Layer "NONET_L01_P-001" (hatched Horizontal grid 4 track 5, remove dead copper, pour order 15): 2200,4090 2537.29,4090 2550,4077.29 2550,3955 2540,3945 2165,3945 2135,3975 2135,4025
NetC7_1 on Bottom Layer "NONET_L01_P-001" (hatched Horizontal grid 4 track 5, remove dead copper, pour order 14): 1965,4220 1980,4235 2180,4235 2210,4205 2210,4115 2125,4030 1840,4030 1830,4040 1830,4090 1860,4120 1935,4120 1965,4150
PGND on Bottom Layer "NONET_L01_P-001" (hatched Horizontal grid 4 track 5, remove dead copper, pour order 13): 1920,4240 1940,4220 1940,4150 1925,4135 1855,4135 1810,4090 1810,3985 1800,3975 1635,3975 1620,3990 1620,4090 1645,4115 1645,4195 1690,4240
PGND on Bottom Solder "NONET_L01_P-001" (hatched Horizontal grid 4 track 5, remove dead copper): 2210,4090 2537.29,4090 2550,4077.29 2550,3955 2540,3945 2180,3945 2160,3965 2160,4040
GND on Top Layer "NONET_L01_P-001" (hatched Horizontal grid 4 track 5, remove dead copper, pour order 19): 1442.65,3560 1485,3560 1512.75,3532.25 1512.75,3217.27 1485.48,3190 1442.65,3190 1442.65,3163.59 1442.81,3162.36 1442.65,3161.13 ccw(c1526.41,3161.13) 1526.41,3077.37 2786.25,3077.37 ccw(c2786.26,3161.12) 2870.01,3161.12 2870.01,4302.86 ccw(c2786.26,4302.87) 2786.25,4386.62 2715,4386.62 2715,4350 2702.5,4337.5 1647.5,4337.5 1598.39,4386.61 1526.41,4386.61 ccw(c1526.4,4302.87) 1442.65,4302.86 1512.75,4302.86 1545,4270.61 1545,3769.16 1510.17,3685 1442.65,3685
GND on Top Layer "NONET_L01_P-001" (hatched Horizontal grid 4 track 5, remove dead copper, pour order 18): 1520,3177.5 1525.3,3179.7 1525.31,3179.7 1545.3,3199.69 1545.3,3199.7 1547.5,3205 1547.5,3545 1545.3,3550.3 1545.3,3550.31 1515.31,3580.3 1515.3,3580.3 1510,3582.5 1442.65,3582.5 1442.65,3685 1510.17,3685 1545,3769.16 1545,4270.61 1512.75,4302.86 1442.65,4302.86 cw(c1526.4,4302.87) 1526.4,4386.61 1526.41,4386.61 1598.39,4386.61 1647.5,4337.5 2702.5,4337.5 2715,4350 2715,4386.62 2786.25,4386.62 cw(c2786.25,4302.86) 2870.01,4302.86 2870.01,3161.12 cw(c2786.25,3161.12) 2786.25,3077.37 1526.41,3077.37 cw(c1526.41,3161.13) 1442.65,3161.13 1442.81,3162.36 1442.65,3163.59 1442.65,3177.5
PGND on Top Layer "NONET_L01_P-001" (hatched Horizontal grid 4 track 5, remove dead copper, pour order 16): 1942,4292 1886.92,4236.92 1886.92,3998.08 1970,3915 2465,3915 2505,3955 2505,4120 2333,4292

## Keep-outs
Keep-Out Layer:
  lines w10: 1447.67,3182.33 1447.67,3161.13 ccw(c1526.41,3161.13) 1526.41,3082.39 2786.25,3082.39 ccw(c2786.25,3161.13) 2864.99,3161.13 2864.99,4302.86 ccw(c2786.25,4302.86) 2786.25,4381.6 2733.4,4381.6 ; 1447.67,3570.36 1447.67,3705.85 ; 1447.67,4277.33 1447.67,4302.86 cw(c1526.41,4302.86) 1526.41,4381.6 1553.4,4381.6 1589.53,4381.6

## Silkscreen, mask and mechanical layers (free items; w line width, h text height)
Top Overlay:
  lines w10: 2740,3425 2825,3425
  text "PVCC" at 1515.83,4210 h100 r270
  text "PGND" at 1515.83,3910 h100 r270
  text "磁编码▲" at 1850.06,3491.48 h70
  text "RT_Thread" at 2745.08,3405 h100 r270
  text "MM32SPIN27" at 2805.5,3405 h60 r270
  text "GND" at 1989.65,3315.35 h60 r45
  text "UART" at 2044.65,3315.35 h60 r45
  text "UART" at 1779.65,3310.35 h60 r45
  text "下载器" at 2263.52,3100 h70 r90
Bottom Overlay:
  lines w10: 1535,3230 1535,3340 ; 1535,3360 1535,3525 ; 1605,4310 1955,4310 ; 1990,4310 2340,4310
  lines w20: 2389.78,3882.3 2569.78,3882.3
  text "GH_C" at 2411.44,4303.56 h50 r45
  text "SH_C" at 2506.44,4303.56 h50 r45
  text "GL_C" at 2596.44,4303.56 h50 r45
  text "SL_C" at 2696.44,4303.56 h50 r45
  text "MOSFET_A" at 1835,4263.07 h80
  text "MOSFET_B" at 2300,4263.07 h80
  text "BOOT0" at 2714.53,4205.47 h80 r45
  text "Foc" at 2570,4106.05 h200
  text "ver 0.4" at 2294.53,4101.38 h100
  text "NRST" at 2719.53,3960.47 h80 r45
  text "FerostMask" at 2592.1,3894.96 h240 r90
  text "Designed by:" at 2472.1,3867.46 h120 r90
  text "5V" at 1505,3575 h50
  text "3V3" at 1660,3552.29 h50
  text "SENSE    1&2" at 1589.33,3510 h80 r90
Mechanical 1:
  lines w10: 1447.67,3161.13 ccw(c1526.41,3161.13) 1526.41,3082.39 2786.25,3082.39 ccw(c2786.25,3161.13) 2864.99,3161.13 2864.99,4302.86 ccw(c2786.25,4302.86) 2786.25,4381.6 1526.41,4381.6 ccw(c1526.41,4302.86) 1447.67,4302.86 ; 1447.67,3163.59 1447.67,4305.32

## Text inside footprints (layer, text, board x,y; h text height)
JP1: Bottom Overlay "屏幕粘贴区域" at 1663.31,3299.29 h160 r180
U2: Top Overlay "*" at 2069.75,3855.5 h50 r90; Mechanical 13 "*" at 2069.75,3855.5 h50 r90
U4: Top Overlay "*" at 2167.75,3566.23 h50 r180; Mechanical 13 "*" at 2121,3602.5 h50 r180